# Allegro board reServer J2032_V1.brd
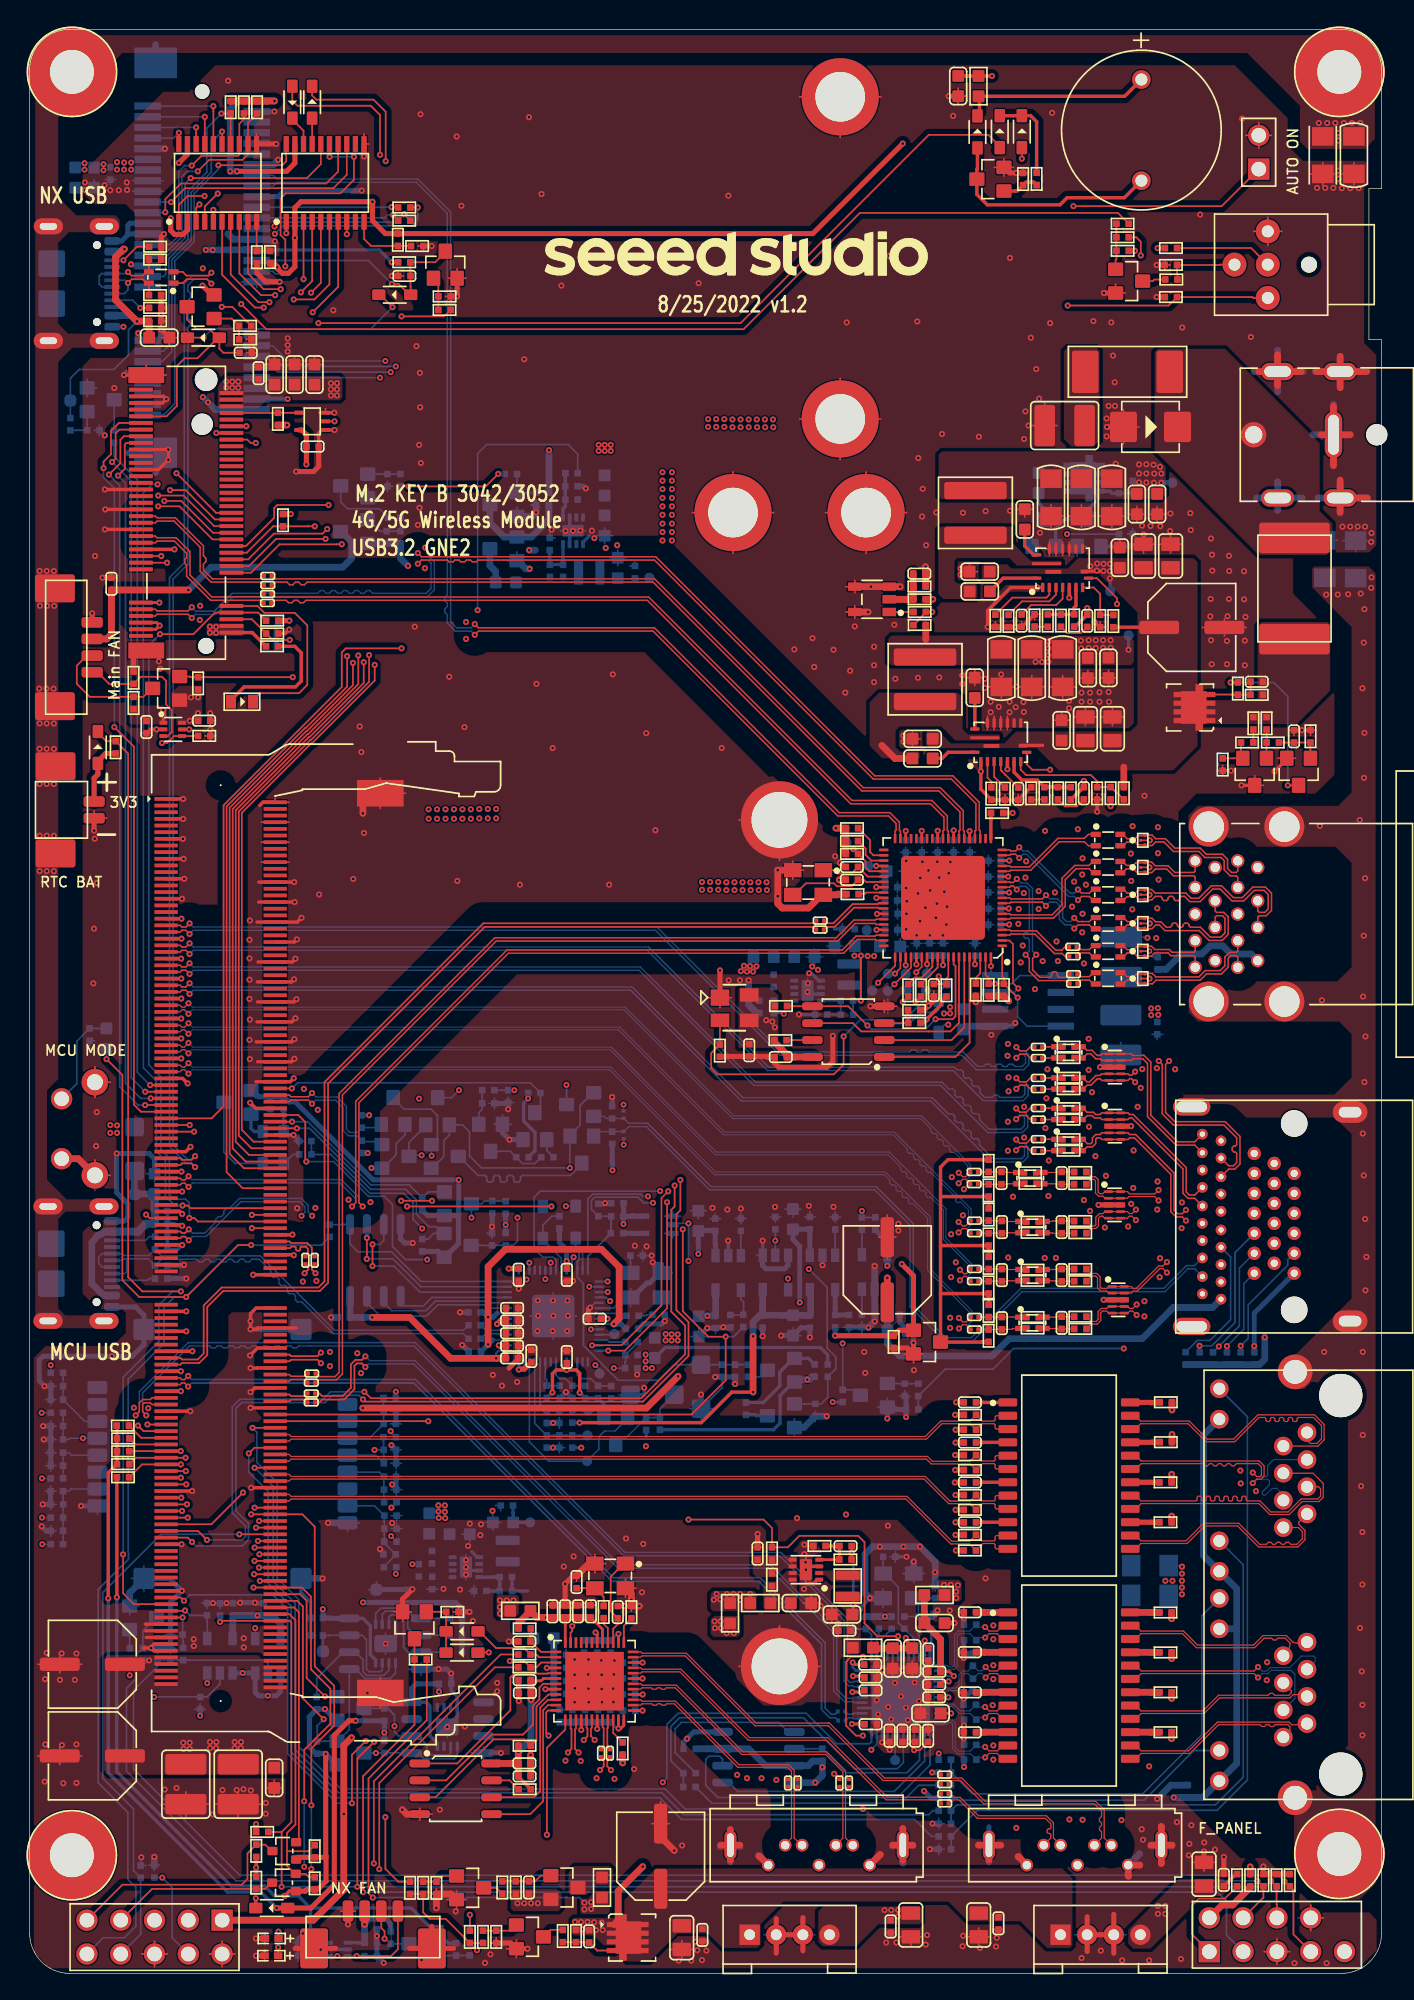
[diagram p0: board, top side]
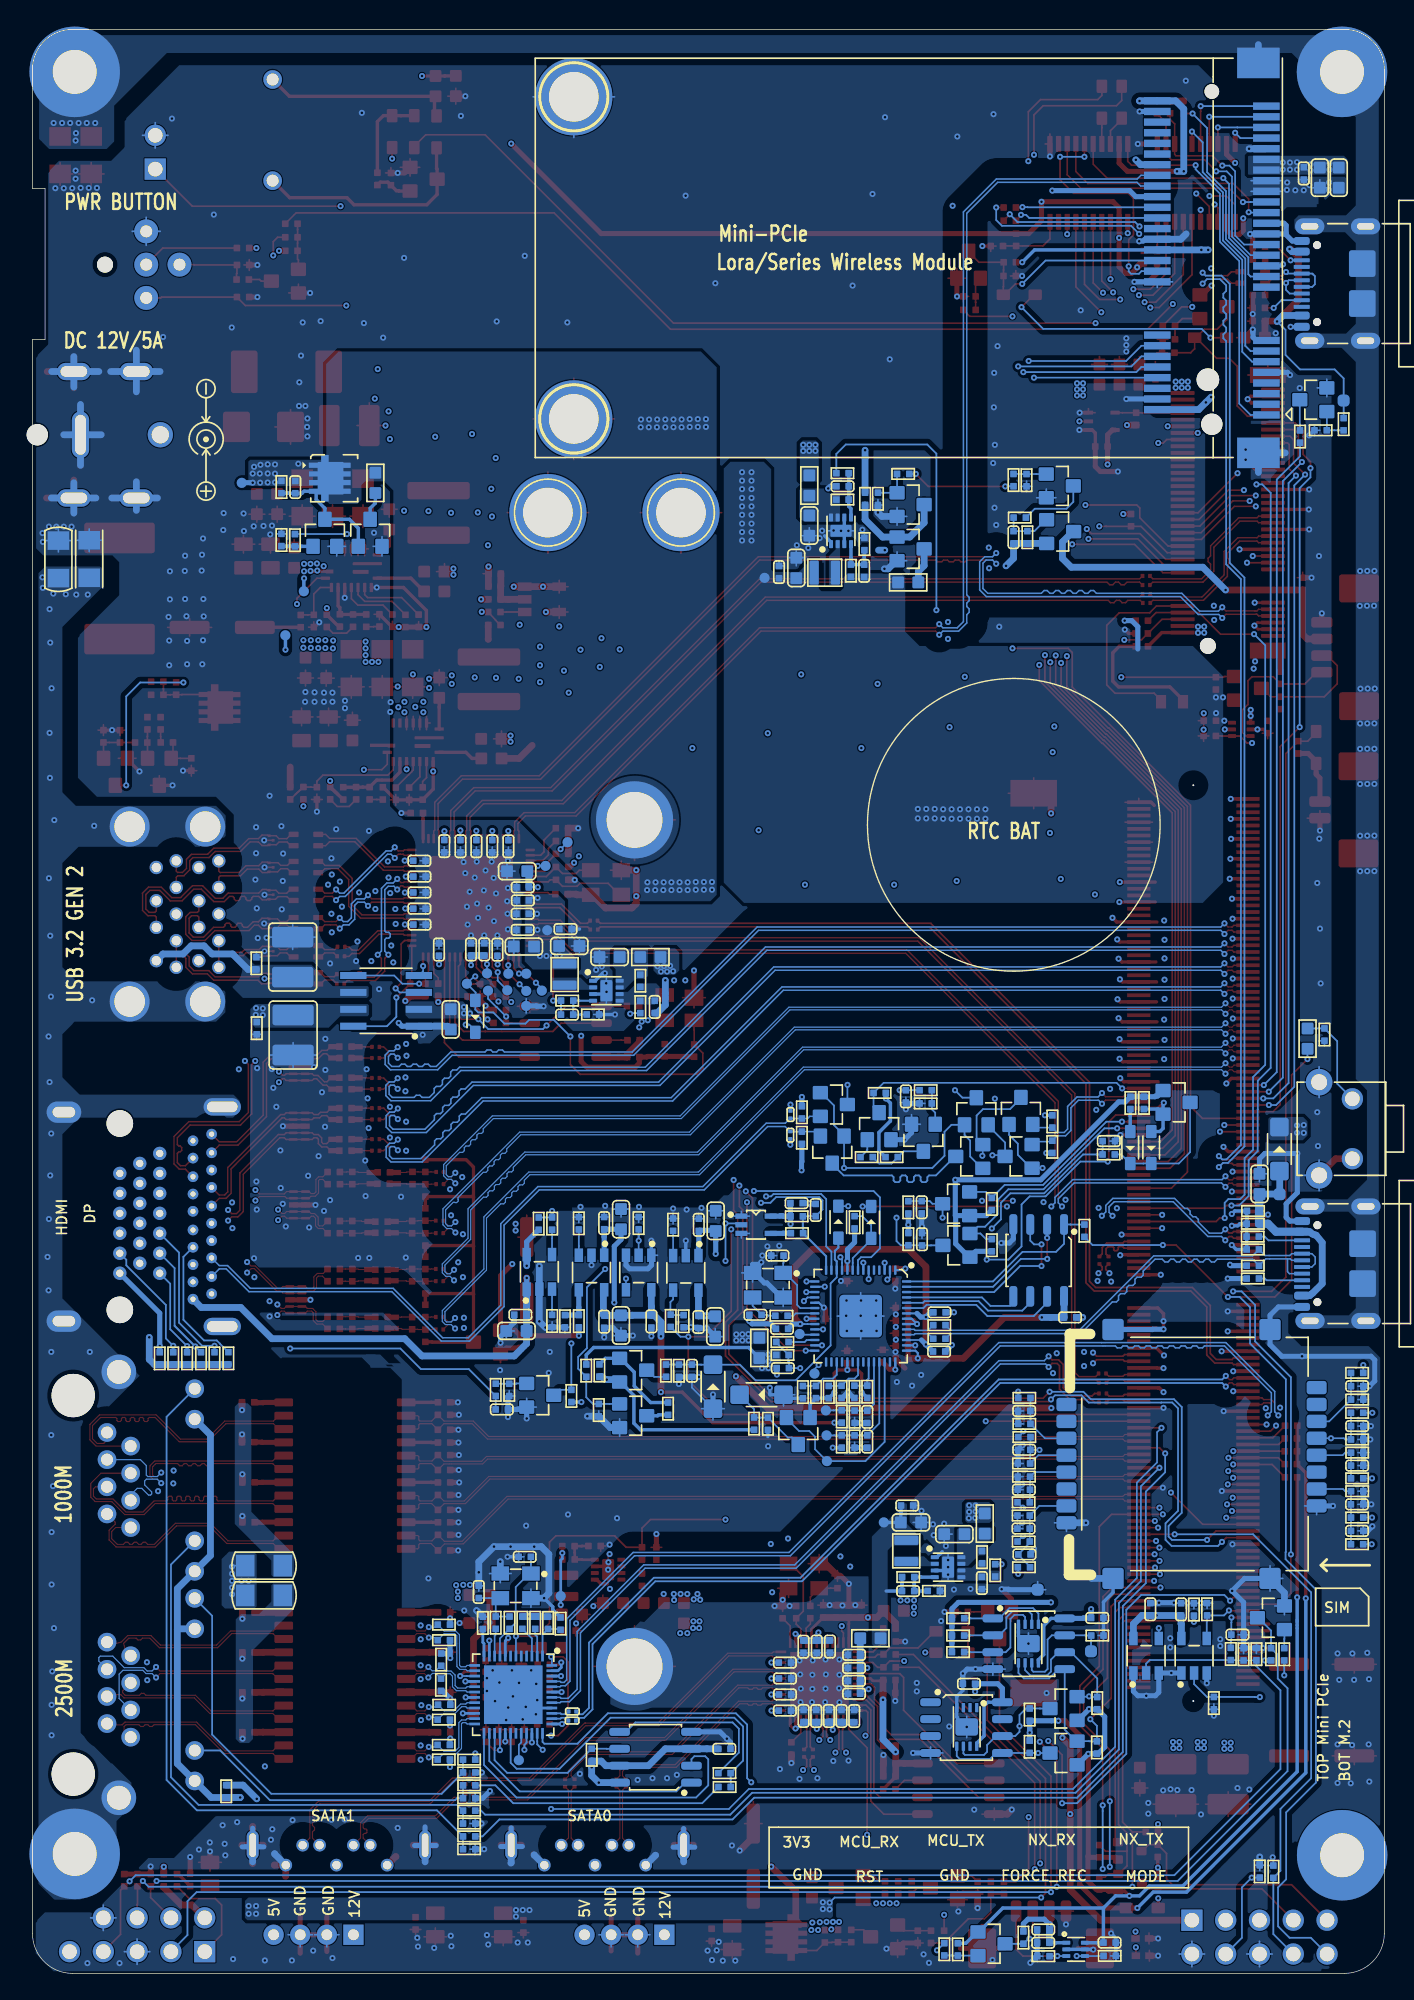
[diagram p1: board, bottom side, seen from below]

Outline 101.6 x 146.05 mm; copper layers: TOP, LYR2_GND, LYR3, LYR4_PWR, LYR5_GND, BOTTOM. Coordinates in mm from the lower left corner of the outline.
Outline path: 0,143.05 arc(0.88,145.17) 3,146.05 98.6,146.05 arc(100.72,145.17) 101.6,143.05 101.6,134.09 100.65,134.09 100.65,122.75 101.6,122.75 101.6,3 arc(100.72,0.88) 98.6,0 3,0 arc(0.88,0.88) 0,3 0,143.05

## Design rules (mm)
constraint set DEFAULT: min track width 0.121
net group 32KHZ: nets M2E_SUSCLK_32KHZ SUSCLK_32KHZ
net group DP0_AUX: nets DP0_AUX_N DP0_AUX_P
net group DP0_AUX_CNN: nets DP0_AUX_N_CNN DP0_AUX_P_CNN
net group DP0_AUX_Q: nets DP0_AUX_Q_N DP0_AUX_Q_P
net group DP0_AUX_R: nets DP0_AUX_R_N DP0_AUX_R_P
net group DP0_TXD0: nets DP0_TXD0_N DP0_TXD0_P
net group DP0_TXD0_CON: nets DP0_TXD0_N_CON DP0_TXD0_P_CON
net group DP0_TXD0_M: nets DP0_TXD0_N1 DP0_TXD0_P1
net group DP0_TXD1: nets DP0_TXD1_N DP0_TXD1_P
net group DP0_TXD1_CON: nets DP0_TXD1_N_CON DP0_TXD1_P_CON
net group DP0_TXD1_M: nets DP0_TXD1_N1 DP0_TXD1_P1
net group DP0_TXD2: nets DP0_TXD2_N DP0_TXD2_P
net group DP0_TXD2_CON: nets DP0_TXD2_N_CON DP0_TXD2_P_CON
net group DP0_TXD2_M: nets DP0_TXD2_N1 DP0_TXD2_P1
net group DP0_TXD3: nets DP0_TXD3_N DP0_TXD3_P
net group DP0_TXD3_CON: nets DP0_TXD3_N_CON DP0_TXD3_P_CON
net group DP0_TXD3_M: nets DP0_TXD3_N1 DP0_TXD3_P1
net group DP1: nets N6320650 N6320678
net group DP_GBE_MDI0: nets GBE_MDI0_N GBE_MDI0_P
net group DP_GBE_MDI1: nets GBE_MDI1_N GBE_MDI1_P
net group DP_GBE_MDI2: nets GBE_MDI2_N GBE_MDI2_P
net group DP_GBE_MDI3: nets GBE_MDI3_N GBE_MDI3_P
net group ETH1_MDI0: nets MDIN0 MDIP0
net group ETH_MDI2: nets MDIN2 MDIP2
net group ETH_MDI3: nets MDIN3 MDIP3
net group ETH_MID1: nets MDIN1 MDIP1
net group HDMI_TX0: nets HDMI_TX0_N HDMI_TX0_P
net group HDMI_TX0_1: nets HDMI_TX0_N1 HDMI_TX0_P1
net group HDMI_TX0_2: nets HDMI_TX0_N2 HDMI_TX0_P2
net group HDMI_TX1: nets HDMI_TX1_N HDMI_TX1_P
net group HDMI_TX1_1: nets HDMI_TX1_N1 HDMI_TX1_P1
net group HDMI_TX1_2: nets HDMI_TX1_N2 HDMI_TX1_P2
net group HDMI_TX2: nets HDMI_TX2_N HDMI_TX2_P
net group HDMI_TX2_1: nets HDMI_TX2_N1 HDMI_TX2_P1
net group HDMI_TX2_2: nets HDMI_TX2_N2 HDMI_TX2_P2
net group HDMI_TXC: nets HDMI_TXC_N HDMI_TXC_P
net group HDMI_TXC_1: nets HDMI_TXC_N1 HDMI_TXC_P1
net group HDMI_TXC_2: nets HDMI_TXC_N2 HDMI_TXC_P2
net group HDMI_TXC_CON: nets HDMI_TXC_CON_N HDMI_TXC_CON_P
net group HDMI_TXD0_CON: nets HDMI_TXD0_CON_N HDMI_TXD0_CON_P
net group HDMI_TXD1_CON: nets HDMI_TXD1_CON_N HDMI_TXD1_CON_P
net group HDMI_TXD2_CON: nets HDMI_TXD2_CON_N HDMI_TXD2_CON_P
net group HUB_B_USB2: nets B_HUB_USB1_DM B_HUB_USB1_DP
net group HUB_T_USB2: nets T_HUB_USB1_DM T_HUB_USB1_DP
net group HUB_T_USB3_RX: nets B_USBA2_SS_RX_N B_USBA2_SS_RX_P
net group HUB_T_USB3_SSTX_CON: nets T_USBA1_SS_TX_N T_USBA1_SS_TX_P
net group HUB_T_USB3_TX: nets B_USBA2_SS_TX_N B_USBA2_SS_TX_P
net group HUB_USB2_HP1: nets HUB_HP1_N HUB_HP1_P
net group HUB_USB2_HP2: nets HUB_HP2_N HUB_HP2_P
net group HUB_USB2_HP3: nets HUB_HP3_N HUB_HP3_P
net group HUB_USB2_HP4: nets HUB_HP4_N HUB_HP4_P
net group HUB_USB3_SSRX1: nets HUB_SSRX1_N HUB_SSRX1_P
net group HUB_USB3_SSRX2: nets HUB_SSRX2_N HUB_SSRX2_P
net group HUB_USB3_SSRX3: nets HUB_SSRX3_N HUB_SSRX3_P
net group HUB_USB3_SSRX_CON: nets T_USBA1_SS_RX_N T_USBA1_SS_RX_P
net group HUB_USB3_SSTX0: nets HUB_SSTX0_N HUB_SSTX0_P
net group HUB_USB3_SSTX1: nets HUB_SSTX1_N HUB_SSTX1_P
net group HUB_USB3_SSTX1_1: nets HUB_SSTX1_N1 HUB_SSTX1_P1
net group HUB_USB3_SSTX2: nets HUB_SSTX2_N HUB_SSTX2_P
net group HUB_USB3_SSTX2_1: nets HUB_SSTX2_N1 HUB_SSTX2_P1
net group HUB_USB3_SSTX3: nets HUB_SSTX3_N HUB_SSTX3_P
net group M2_USB3_RX: nets M2_USB3_RXN M2_USB3_RXP
net group M2_USB3_TX: nets M2_USB3_TXN M2_USB3_TXP
net group MCU_USB: nets MCU_USB_N MCU_USB_P
net group PCIE0_CLK: nets PCIE0_CLK_N PCIE0_CLK_P
net group PCIE0_RX0: nets PCIE0_RX0_N PCIE0_RX0_P
net group PCIE0_RX_IC: nets P_RXN0 P_RXP0
net group PCIE0_TX0: nets PCIE0_TX0_N PCIE0_TX0_P
net group PCIE0_TX_IC: nets P_TXN0 P_TXP0
net group PCIE1_CLK: nets PCIE1_CLK_N PCIE1_CLK_P
net group PCIE1_RX0: nets PCIE1_RX0_N PCIE1_RX0_P
net group PCIE1_RX0_IC: nets HSON HSOP
net group PCIE1_TX0: nets PCIE1_TX0_N PCIE1_TX0_P
net group PCIE1_TX0_IC: nets HISN HISP
net group RJ45A_MX1: nets RJ45A_MX1N RJ45A_MX1P
net group RJ45A_MX2: nets RJ45A_MX2N RJ45A_MX2P
net group RJ45A_MX3: nets RJ45A_MX3N RJ45A_MX3P
net group RJ45A_MX4: nets RJ45A_MX4N RJ45A_MX4P
net group RJ45B_MX1: nets RJ45B_MX1N RJ45B_MX1P
net group RJ45B_MX2: nets RJ45B_MX2N RJ45B_MX2P
net group RJ45B_MX3: nets RJ45B_MX3N RJ45B_MX3P
net group RJ45B_MX4: nets RJ45B_MX4N RJ45B_MX4P
net group SATA_RX0: nets SATA_RXN0 SATA_RXP0
net group SATA_RX0_CON: nets S_RXN0 S_RXP0
net group SATA_RX1: nets SATA_RXN1 SATA_RXP1
net group SATA_RX1_CON: nets S_RXN1 S_RXP1
net group SATA_TX0: nets SATA_TXN0 SATA_TXP0
net group SATA_TX0_CON: nets S_TXN0 S_TXP0
net group SATA_TX1: nets SATA_TXN1 SATA_TXP1
net group SATA_TX1_CON: nets S_TXN1 S_TXP1
net group SWD: nets MCU_SWCLK MCU_SWDIO
net group TYPEC1_USB2: nets TYPEC_DN TYPEC_DP
net group USB0_AP: nets USB0_AP_N USB0_AP_P
net group USB1_AP: nets USB1_AP_N USB1_AP_P
net group USBSS_RX: nets USBSS_RX_N USBSS_RX_P
net group USBSS_TX: nets USBSS_TX_N USBSS_TX_P
net group I2C: nets HDMI_DDC_SCL HDMI_DDC_SCL_CON HDMI_DDC_SDA HDMI_DDC_SDA_CON I2C1_SCL I2C1_SDA I2C2_SCL I2C2_SDA ID_I2C_SCL ID_I2C_SDA MCU_I2C0_SCL MCU_I2C0_SDA PCIE_SCL_CON PCIE_SDA_CON
net group I2S: nets I2S1_LRCK I2S1_SCLK I2S1_SDIN I2S1_SDOUT
net group SIM: nets M.2_USIM_CLK M.2_USIM_DATA PCIE_SIM_CLK PCIE_SIM_DIO
net group SPI: nets HUP_SPI_CLK HUP_SPI_SI HUP_SPI_SO JMB_SPI_SCK JMB_SPI_SI JMB_SPI_SO PCIE_SPI_MISO_CON PCIE_SPI_MOSI_CON PCIE_SPI_SCLK_CON QSPI_SCLK QSPI_SD0 QSPI_SD1 QSPI_SD2 QSPI_SD3 RTL_SPI_SCK RTL_SPI_SI RTL_SPI_SO SPI1_MISO SPI1_MOSI SPI1_SCK
net group UART: nets DEBUG_UART2_RXD DEBUG_UART2_TXD PCIE_UART_RXD_CON PCIE_UART_TXD_CON UART0_RXD UART0_TXD UART1_RXD UART1_TXD UART2_RXD UART2_TXD
nets with their own width: min track width 0.003; nets BBAT_CONN N5909573

## Placement (name value [footprint] x y rotation side)
B1  SQMB1265P2703B  [BUZZER2P_R12]  83.55 138.49 0 top
C1  100nF  [C0402]  92.22 97.04 180 top
C2  2.2uF  [C1210]  77.78 116.29 180 top
C3  10nF  [C0402]  66.86 105.16 0 top
C5  22uF  [C0805]  81.37 93.51 90 top
C6  22uF  [C0805]  79.34 93.51 90 top
C7  100nF  [C0603]  67.11 92.75 180 top
C8  100nF  [C0603]  67.1 91.28 180 top
C9  100uF  [ELECTRO_SMD_6_6X6_6MM]  87.34 101.12 270 top
C10  1uF  [C0603]  77.55 93.39 90 top
C11  220pF  [C0402]  79.23 88.66 90 top
C12  47uF  [C1206]  77.64 98.06 270 top
C13  47uF  [C1206]  75.31 98.06 270 top
C14  47uF  [C1206]  73.03 98.06 270 top
C15  4.7uF  [C0603]  81.08 98.08 270 top
C16  100nF  [C0603]  79.53 98.07 270 top
C17  1uF  [C0603]  71.03 96.59 90 top
C18  220nF  [C0402]  74.3 88.63 270 top
C19  100nF  [C0603]  71.4 103.83 180 top
C21  22uF  [C0805]  85.74 106.49 90 top
C22  22uF  [C0805]  83.71 106.49 90 top
C23  1uF  [C0603]  71.4 105.31 180 top
C24  100nF  [C0603]  81.93 106.36 90 top
C25  220pF  [C0402]  79.48 101.62 90 top
C26  47uF  [C1206]  76.76 110.89 270 top
C27  47uF  [C1206]  79.05 110.89 270 top
C28  47uF  [C1206]  81.33 110.89 270 top
C29  4.7uF  [C0603]  83.21 110.39 270 top
C30  100nF  [C0603]  84.73 110.39 270 top
C31  100nF  [C0402]  81.85 111.66 270 bottom
C32  1uF  [C0603]  74.79 109.24 90 top
C33  220nF  [C0402]  74.55 101.63 270 top
C34  22pF  [C0402]  35.79 28.72 180 bottom
C35  22nF  [C0402]  54.83 72.61 270 bottom
C36  10uF  [C0603]  58.22 76.36 0 bottom
C37  22nF  [C0402]  30.25 29.33 270 bottom
C38  10uF  [C0603]  32.31 33 0 bottom
C39  22pF  [C0402]  61.42 72.03 180 bottom
C40  22uF  [C0603]  35.58 33.88 180 bottom
C41  1uF  [C0402]  35.86 35.15 180 bottom
C42  22uF  [C0603]  61.26 77.19 180 bottom
C43  1uF  [C0402]  61.54 78.46 180 bottom
C44  22nF  [C0402]  54.71 31.54 90 top
C45  10uF  [C0603]  57.97 27.82 0 top
C46  22pF  [C0402]  61.32 32.1 180 top
C47  10uF  [C0603]  43.21 108.77 270 bottom
C48  22nF  [C0402]  40.71 111.73 0 bottom
C49  22pF  [C0402]  39.09 105.37 90 bottom
C50  22uF  [C0603]  61.05 26.97 180 top
C51  1uF  [C0402]  61.23 25.75 180 top
C52  22uF  [C0603]  44.2 105.59 90 bottom
C53  1uF  [C0402]  45.49 105.28 90 bottom
C54  1uF  [C0402]  45.27 48.43 0 bottom
C55  100nF  [C0402]  33.43 49.67 180 bottom
C56  100nF  [C0402]  33.46 46.72 180 bottom
C57  1uF  [C0402]  36.75 52.49 270 top
C58  1uF  [C0402]  36.25 49.05 0 top
C59  100nF  [C0402]  36.26 50 0 top
C60  100nF  [C0402]  36.26 47.15 0 top
C61  100nF  [C0402]  36.26 48.09 0 top
C62  100nF  [C0402]  37.7 46.39 90 top
C63  100nF  [C0402]  40.37 52.49 270 top
C64  100nF  [C0402]  42.46 49.18 180 top
C65  100nF  [C0402]  36.25 46.21 0 top
C66  100nF  [C0402]  40.37 46.31 90 top
C67  100nF  [C0402]  23.61 49.28 180 bottom
C68  100nF  [C0402]  44.17 57.87 0 bottom
C69  100nF  [C0402]  42.73 57.35 90 bottom
C70  100nF  [C0402]  15.27 27.35 270 bottom
C71  1uF  [C0402]  45.21 45.47 0 bottom
C72  100nF  [C0402]  17.59 27.35 270 bottom
C73  27pF  [C0402]  47.26 49.48 0 bottom
C74  27pF  [C0402]  45.61 53.93 0 bottom
C75  100pF  [C0402]  38.86 41.81 270 bottom
C76  100pF  [C0402]  38.86 39.96 270 bottom
C77  10nF  [C0402]  52.04 45.28 270 bottom
C78  10uF  [C0603]  69.78 141.8 270 top
C79  1uF  [C0402]  6.14 104.4 90 top
C80  100nF  [C0402]  8.77 93.64 270 top
C81  100nF  [C0402]  13.11 94.12 0 top
C82  100nF  [C0201]  21.17 44.38 0 top
C83  100nF  [C0201]  21.19 45.07 0 top
C84  100nF  [C0201]  59.4 78.42 0 top
C85  100nF  [C0201]  59.41 79.09 0 top
C86  100nF  [C0402]  21.26 114.71 0 top
C87  2.2uF  [C0402]  64.63 17.85 90 top
C88  2.2uF  [C0402]  65.59 17.85 90 top
C89  2.2uF  [C0402]  63.19 22.23 0 top
C90  2.2uF  [C0402]  67.52 17.85 90 top
C91  2.2uF  [C0402]  63.2 18.72 0 top
C92  2.2uF  [C0402]  67.98 21.7 180 top
C93  100nF  [C0402]  66.56 17.85 90 top
C94  100nF  [C0402]  63.19 21.27 0 top
C95  1uF  [C0402]  67.98 20.74 180 top
C96  10uF  [C0603]  67.71 19.54 180 top
C97  1uF  [C0402]  67.54 23.96 270 top
C98  100nF  [C0402]  67.99 22.66 180 top
C99  22uF  [C0603]  68 26.32 0 top
C100  10uF  [C0603]  66.33 23.67 270 top
C101  10uF  [C0603]  64.86 23.67 270 top
C102  2.2uF  [C0402]  63.17 23.2 0 top
C103  100nF  [C0402]  49.6 16.87 180 bottom
C104  100nF  [C0201]  61.04 18.99 0 bottom
C105  100nF  [C0201]  61.02 19.68 0 bottom
C106  27pF  [C0402]  64.6 31.3 0 bottom
C107  27pF  [C0402]  68.06 28.66 90 bottom
C108  100nF  [C0201]  21.16 42.9 0 top
C109  100nF  [C0201]  21.17 43.57 0 top
C110  100nF  [C0402]  70.66 27.13 0 top
C111  100nF  [C0402]  70.66 24.13 0 top
C112  100nF  [C0402]  70.66 21.11 0 top
C113  100nF  [C0402]  70.66 18.11 0 top
C114  1nF  [C1206]  84.2 28.4 0 bottom
C115  100nF  [C0402]  70.66 42.9 0 top
C116  100nF  [C0402]  70.66 39.88 0 top
C117  100nF  [C0402]  70.66 36.88 0 top
C118  100nF  [C0402]  70.66 33.89 0 top
C119  1nF  [C1206]  84.2 30.63 0 bottom
C120  100nF  [C0402]  67.95 73.87 270 top
C121  18pF  [C0402]  61.79 82.16 180 top
C122  18pF  [C0402]  61.79 83.13 180 top
C123  100nF  [C0402]  56.45 68.84 180 top
C124  10uF  [C0603]  65.17 82.81 0 bottom
C125  100nF  [C0402]  66.66 76.92 90 bottom
C126  100nF  [C0402]  64.76 81.6 0 bottom
C127  100nF  [C0402]  71.05 76.92 90 bottom
C128  100nF  [C0402]  70.65 84.69 270 bottom
C129  100nF  [C0402]  72.52 83.59 180 bottom
C130  10uF  [C0603]  64.67 77.15 0 bottom
C131  100nF  [C0402]  64.76 78.4 0 bottom
C132  100nF  [C0402]  64.76 79.61 0 bottom
C133  100nF  [C0402]  67.04 84.68 270 bottom
C134  100nF  [C0402]  68.24 84.68 270 bottom
C135  10nF  [C0402]  67.64 76.93 90 bottom
C136  100nF  [C0402]  69.43 84.68 270 bottom
C137  100nF  [C0402]  68.64 76.93 90 bottom
C138  10nF  [C0402]  65.83 84.68 270 bottom
C139  100nF  [C0402]  72.52 82.4 180 bottom
C140  100nF  [C0402]  72.51 81.21 180 bottom
C141  100nF  [C0402]  72.51 78.79 180 bottom
C142  100nF  [C0402]  72.52 79.99 180 bottom
C143  10nF  [C0402]  64.75 80.61 0 bottom
C144  10uF  [C0603]  70.16 71.67 270 bottom
C145  100uF  [C1210]  82.04 76.35 90 bottom
C146  100uF  [C1210]  82.01 70.5 270 bottom
C147  100nF  [C0201]  78.4 77.13 0 top
C148  100nF  [C0201]  78.42 76.42 0 top
C149  100nF  [C0201]  78.45 75.07 0 top
C150  100nF  [C0201]  78.45 74.36 0 top
C151  10pF  [C0402]  42.7 19.33 90 bottom
C152  100pF  [C0402]  43.66 24.55 270 bottom
C153  1nF  [C0402]  45.04 20.95 180 bottom
C154  10nF  [C0402]  40.79 19.34 90 bottom
C155  100nF  [C0402]  39.85 22.95 0 bottom
C156  100nF  [C0402]  45.04 22.16 180 bottom
C157  100nF  [C0402]  43.65 19.34 90 bottom
C158  100nF  [C0402]  39.86 21.98 0 bottom
C159  100nF  [C0402]  39.84 19.33 90 bottom
C160  100nF  [C0402]  41.74 19.34 90 bottom
C161  100nF  [C0402]  39.85 23.93 0 bottom
C162  100nF  [C0402]  41.66 24.56 270 bottom
C163  100nF  [C0402]  45.05 23.35 180 bottom
C164  100nF  [C0402]  42.66 24.55 270 bottom
C165  100nF  [C0402]  45.05 19.74 180 bottom
C166  100nF  [C0402]  39.85 21.01 0 bottom
C167  10pF  [C0402]  37.2 22.04 180 top
C168  100pF  [C0402]  37.19 14.81 0 top
C169  1nF  [C0402]  37.22 21.07 180 top
C170  10nF  [C0402]  39.29 27.2 90 top
C171  100nF  [C0402]  41.21 27.2 90 top
C172  100nF  [C0402]  40.24 27.2 90 top
C173  100nF  [C0402]  42.17 27.2 90 top
C174  100nF  [C0402]  37.18 15.78 0 top
C175  1uF  [C0402]  37.18 24.93 180 top
C176  220nF  [C0201]  21.41 53.58 270 top
C177  220nF  [C0201]  20.73 53.58 270 top
C178  220nF  [C0201]  42.94 16.54 90 top
C179  220nF  [C0201]  43.61 16.54 90 top
C180  27pF  [C0402]  44.2 27.14 90 top
C181  27pF  [C0402]  41.1 29.4 90 top
C182  10nF  [C0201]  61.57 14.3 270 top
C183  10nF  [C0201]  60.86 14.3 270 top
C184  10nF  [C0201]  57.71 14.3 270 top
C185  10nF  [C0201]  57 14.3 270 top
C186  22uF  [C0805]  49.01 2.68 270 top
C187  100nF  [C0402]  50.56 2.89 270 top
C188  22uF  [C0805]  66.22 3.64 270 top
C189  100nF  [C0402]  64.7 3.53 270 top
C190  10nF  [C0201]  68.77 14.93 0 top
C191  10nF  [C0201]  68.77 14.22 0 top
C192  10nF  [C0201]  68.77 13.49 0 top
C193  10nF  [C0201]  68.77 12.77 0 top
C194  22uF  [C0805]  71.32 3.64 270 top
C195  100nF  [C0402]  72.81 3.76 270 top
C196  22uF  [C0805]  88.26 7.45 90 top
C197  100nF  [C0402]  89.75 7.02 90 top
C198  100nF  [C0402]  42.05 2.78 270 top
C199  100nF  [C0402]  37.52 6.45 90 top
C200  4.7uF  [C0603]  50.29 48.6 270 bottom
C201  100nF  [C0402]  51.55 48.94 270 bottom
C202  4.7uF  [C0603]  57.37 48.68 270 bottom
C203  100nF  [C0402]  58.63 48.97 270 bottom
C204  10uF  [C0603]  50.25 56.53 90 bottom
C205  100nF  [C0402]  51.52 56.24 90 bottom
C206  10uF  [C0603]  57.36 56.66 90 bottom
C207  100nF  [C0402]  58.63 56.37 90 bottom
C208  4.7pF  [C0402]  34.75 55.15 90 bottom
C209  4.7pF  [C0402]  34.77 57.56 270 bottom
C210  100nF  [C0201]  70.98 60.21 0 top
C211  100nF  [C0201]  70.98 59.3 0 top
C212  100nF  [C0201]  71.01 56.55 0 top
C213  100nF  [C0201]  71.01 55.61 0 top
C214  100nF  [C0201]  71.01 52.92 0 top
C215  12pF  [C0402]  20.71 62.53 180 bottom
C216  100nF  [C0201]  71.01 52.01 0 top
C217  100nF  [C0201]  71.01 49.31 0 top
C218  100nF  [C0201]  71.01 48.37 0 top
C219  100pF  [C0402]  66.33 42.37 180 bottom
C220  100nF  [C0201]  44.64 62.98 90 bottom
C221  10uF  [C0603]  65.22 48.27 0 bottom
C222  100nF  [C0402]  64.93 49.49 0 bottom
C223  100uF  [ELECTRO_SMD_6_6X6_6MM]  64.45 52.86 0 top
C224  100nF  [C0201]  44.63 64.52 270 bottom
C225  100nF  [C0201]  75.81 69.61 0 top
C226  100nF  [C0201]  75.81 68.77 0 top
C227  100nF  [C0201]  75.81 67.27 0 top
C228  12pF  [C0402]  35.96 65.89 270 bottom
C229  100nF  [C0201]  75.81 66.43 0 top
C230  100nF  [C0201]  75.81 65.01 0 top
C231  100nF  [C0201]  75.81 64.15 0 top
C232  100nF  [C0201]  75.81 62.68 0 top
C233  100nF  [C0201]  75.81 61.81 0 top
C234  100nF  [C0402]  55.08 48.98 90 bottom
C235  22uF  [C0603]  18.41 120.12 90 top
C236  22uF  [C0603]  21.41 120.12 90 top
C237  22uF  [C0603]  19.91 120.12 90 top
C238  100nF  [C0402]  17.2 120.22 90 top
C239  220nF  [C0402]  2.04 33.25 180 bottom
C240  33pF  [C0402]  2.05 35.24 180 bottom
C241  33pF  [C0402]  2.04 38.15 180 bottom
C242  33pF  [C0402]  2.04 44.12 180 bottom
C243  33pF  [C0402]  2.04 41.12 180 bottom
C244  47nF  [C0402]  16.23 121.76 180 top
C245  100nF  [C0201]  17.89 104.99 0 top
C246  100nF  [C0201]  17.89 104.31 0 top
C247  100nF  [C0201]  17.88 103.63 0 top
C248  100nF  [C0201]  17.87 102.96 0 top
C249  22uF  [C0603]  3.42 134.91 270 bottom
C250  22uF  [C0603]  4.85 134.91 270 bottom
C251  100nF  [C0402]  6.05 135.23 270 bottom
C252  47nF  [C0402]  28.16 127.53 0 top
C253  220nF  [C0402]  27.05 31.48 180 bottom
C254  33pF  [C0402]  27.11 33.42 0 bottom
C255  33pF  [C0402]  27.09 36.34 0 bottom
C256  33pF  [C0402]  27.06 42.26 0 bottom
C257  33pF  [C0402]  27.06 39.34 0 bottom
C258  10uF  [C0603]  9.38 59.31 90 bottom
C259  10uF  [C0603]  9.73 122.89 0 top
C260  1uF  [C0402]  31.22 21.76 0 bottom
C261  100nF  [C0402]  21.57 26.7 180 bottom
C262  100uF  [ELECTRO_SMD_6_6X6_6MM]  4.71 16.34 90 top
C263  100uF  [C1210]  11.74 14.21 270 top
C264  100uF  [C1210]  15.67 14.21 270 top
C265  10uF  [C0603]  18.37 14.69 270 top
C266  10pF  [C0402]  11.04 25.45 180 bottom
C267  100uF  [ELECTRO_SMD_6_6X6_6MM]  4.71 23.22 90 top
C269  0.8pF  [C0402]  73.04 59.75 270 top
C270  0.8pF  [C0402]  77.56 59.75 270 top
C271  0.8pF  [C0402]  73.06 56.07 270 top
C272  0.8pF  [C0402]  77.56 56.07 270 top
C273  0.8pF  [C0402]  73.06 52.46 270 top
C274  0.8pF  [C0402]  77.56 52.46 270 top
C275  0.8pF  [C0402]  73.06 48.85 270 top
C276  0.8pF  [C0402]  77.56 48.88 270 top
C277  1nF  [C1206]  99.65 106.24 270 bottom
C278  1nF  [C1206]  99.52 136.6 90 top
C279  100uF  [ELECTRO_SMD_6_6X6_6MM]  47.42 8.8 0 top
C280  100nF  [C0402]  54.08 69.35 270 top
C281  100nF  [C0402]  95.02 92.94 90 top
C282  1uF  [C0402]  25.63 3.3 0 bottom
C283  100nF  [C0402]  25.63 2.3 0 bottom
C284  100nF  [C0402]  20.65 2.31 180 bottom
C285  100nF  [C0402]  27.87 107.89 90 bottom
D1  SMBJ13CATR7  [DO_214AA_SMB]  84.24 116.19 0 top
D4  1N5819HW  [SOD_123]  7.88 61.93 90 bottom
D5  PMEG3010CEJ  [SOD_323]  38.57 56.42 90 bottom
D6  PMEG3010CEJ  [SOD_323]  41.03 56.44 90 bottom
D7  MMSZ3V3T1G  [SOD_123]  50.46 44.08 90 bottom
D8  PMEG3010CEJ  [SOD_323]  71.23 138.35 90 top
D9  PMEG3010CEJ  [SOD_323]  72.91 138.37 90 top
D10  PMEG3010CEJ  [SOD_323]  74.57 138.37 90 top
D11  ESDPSA0402V05  [D0402]  94.7 7 270 top
D12  ESDPSA0402V05  [D0402]  93.71 7 270 top
D13  ESDPSA0402V05  [D0402]  92.72 7 270 top
D14  ESDPSA0402V05  [D0402]  85.77 128.35 0 top
D15  ESDPSA0402V05  [D0402]  85.77 125.94 0 top
D16  PMEG3010CEJ  [SOD_323]  32.49 24.1 180 top
D17  PMEG3010CEJ  [SOD_323]  32.49 25.7 180 top
D18  PMEG3010CEJ  [SOD_323]  5.12 92.1 90 top
D19  ESDPSA0402V05  [D0402]  10.58 23.97 270 bottom
D20  ESDPSA0402V05  [D0402]  8.34 7.64 270 bottom
D21  ESDPSA0402V05  [D0402]  14.31 27.34 270 bottom
D22  ESDPSA0402V05  [D0402]  68.78 15.09 0 bottom
D23  ESDPSA0402V05  [D0402]  68.78 13.16 0 bottom
D24  ESDPSA0402V05  [D0402]  68.78 9.33 0 bottom
D25  ESDPSA0402V05  [D0402]  68.78 11.26 0 bottom
D26  ESD122DMXR  [X2SON3_0D3_0_6X1X0_4MM]  83.66 78.88 0 top
D27  ESD122DMXR  [X2SON3_0D3_0_6X1X0_4MM]  83.66 83.1 0 top
D28  ESD122DMXR  [X2SON3_0D3_0_6X1X0_4MM]  83.66 76.8 0 top
D29  ESD122DMXR  [X2SON3_0D3_0_6X1X0_4MM]  83.66 81.04 0 top
D30  ESD122DMXR  [X2SON3_0D3_0_6X1X0_4MM]  83.66 85.13 0 top
D31  ESD122DMXR  [X2SON3_0D3_0_6X1X0_4MM]  83.66 74.74 0 top
D32  PMEG3010CEJ  [SOD_323]  19.09 62.04 270 bottom
D33  PMEG3010CEJ  [SOD_323]  17.52 62.05 270 bottom
D34  ESDPSA0402V05  [D0402]  89.98 46.2 90 bottom
D35  ESDPSA0402V05  [D0402]  92.03 46.2 90 bottom
D36  ESDPSA0402V05  [D0402]  91.02 46.21 90 bottom
D37  ESDPSA0402V05  [D0402]  88.94 46.21 90 bottom
D38  ESDPSA0402V05  [D0402]  87.92 46.21 90 bottom